# Altium PCB roach2.PcbDoc (part 19 of 39) (continued)
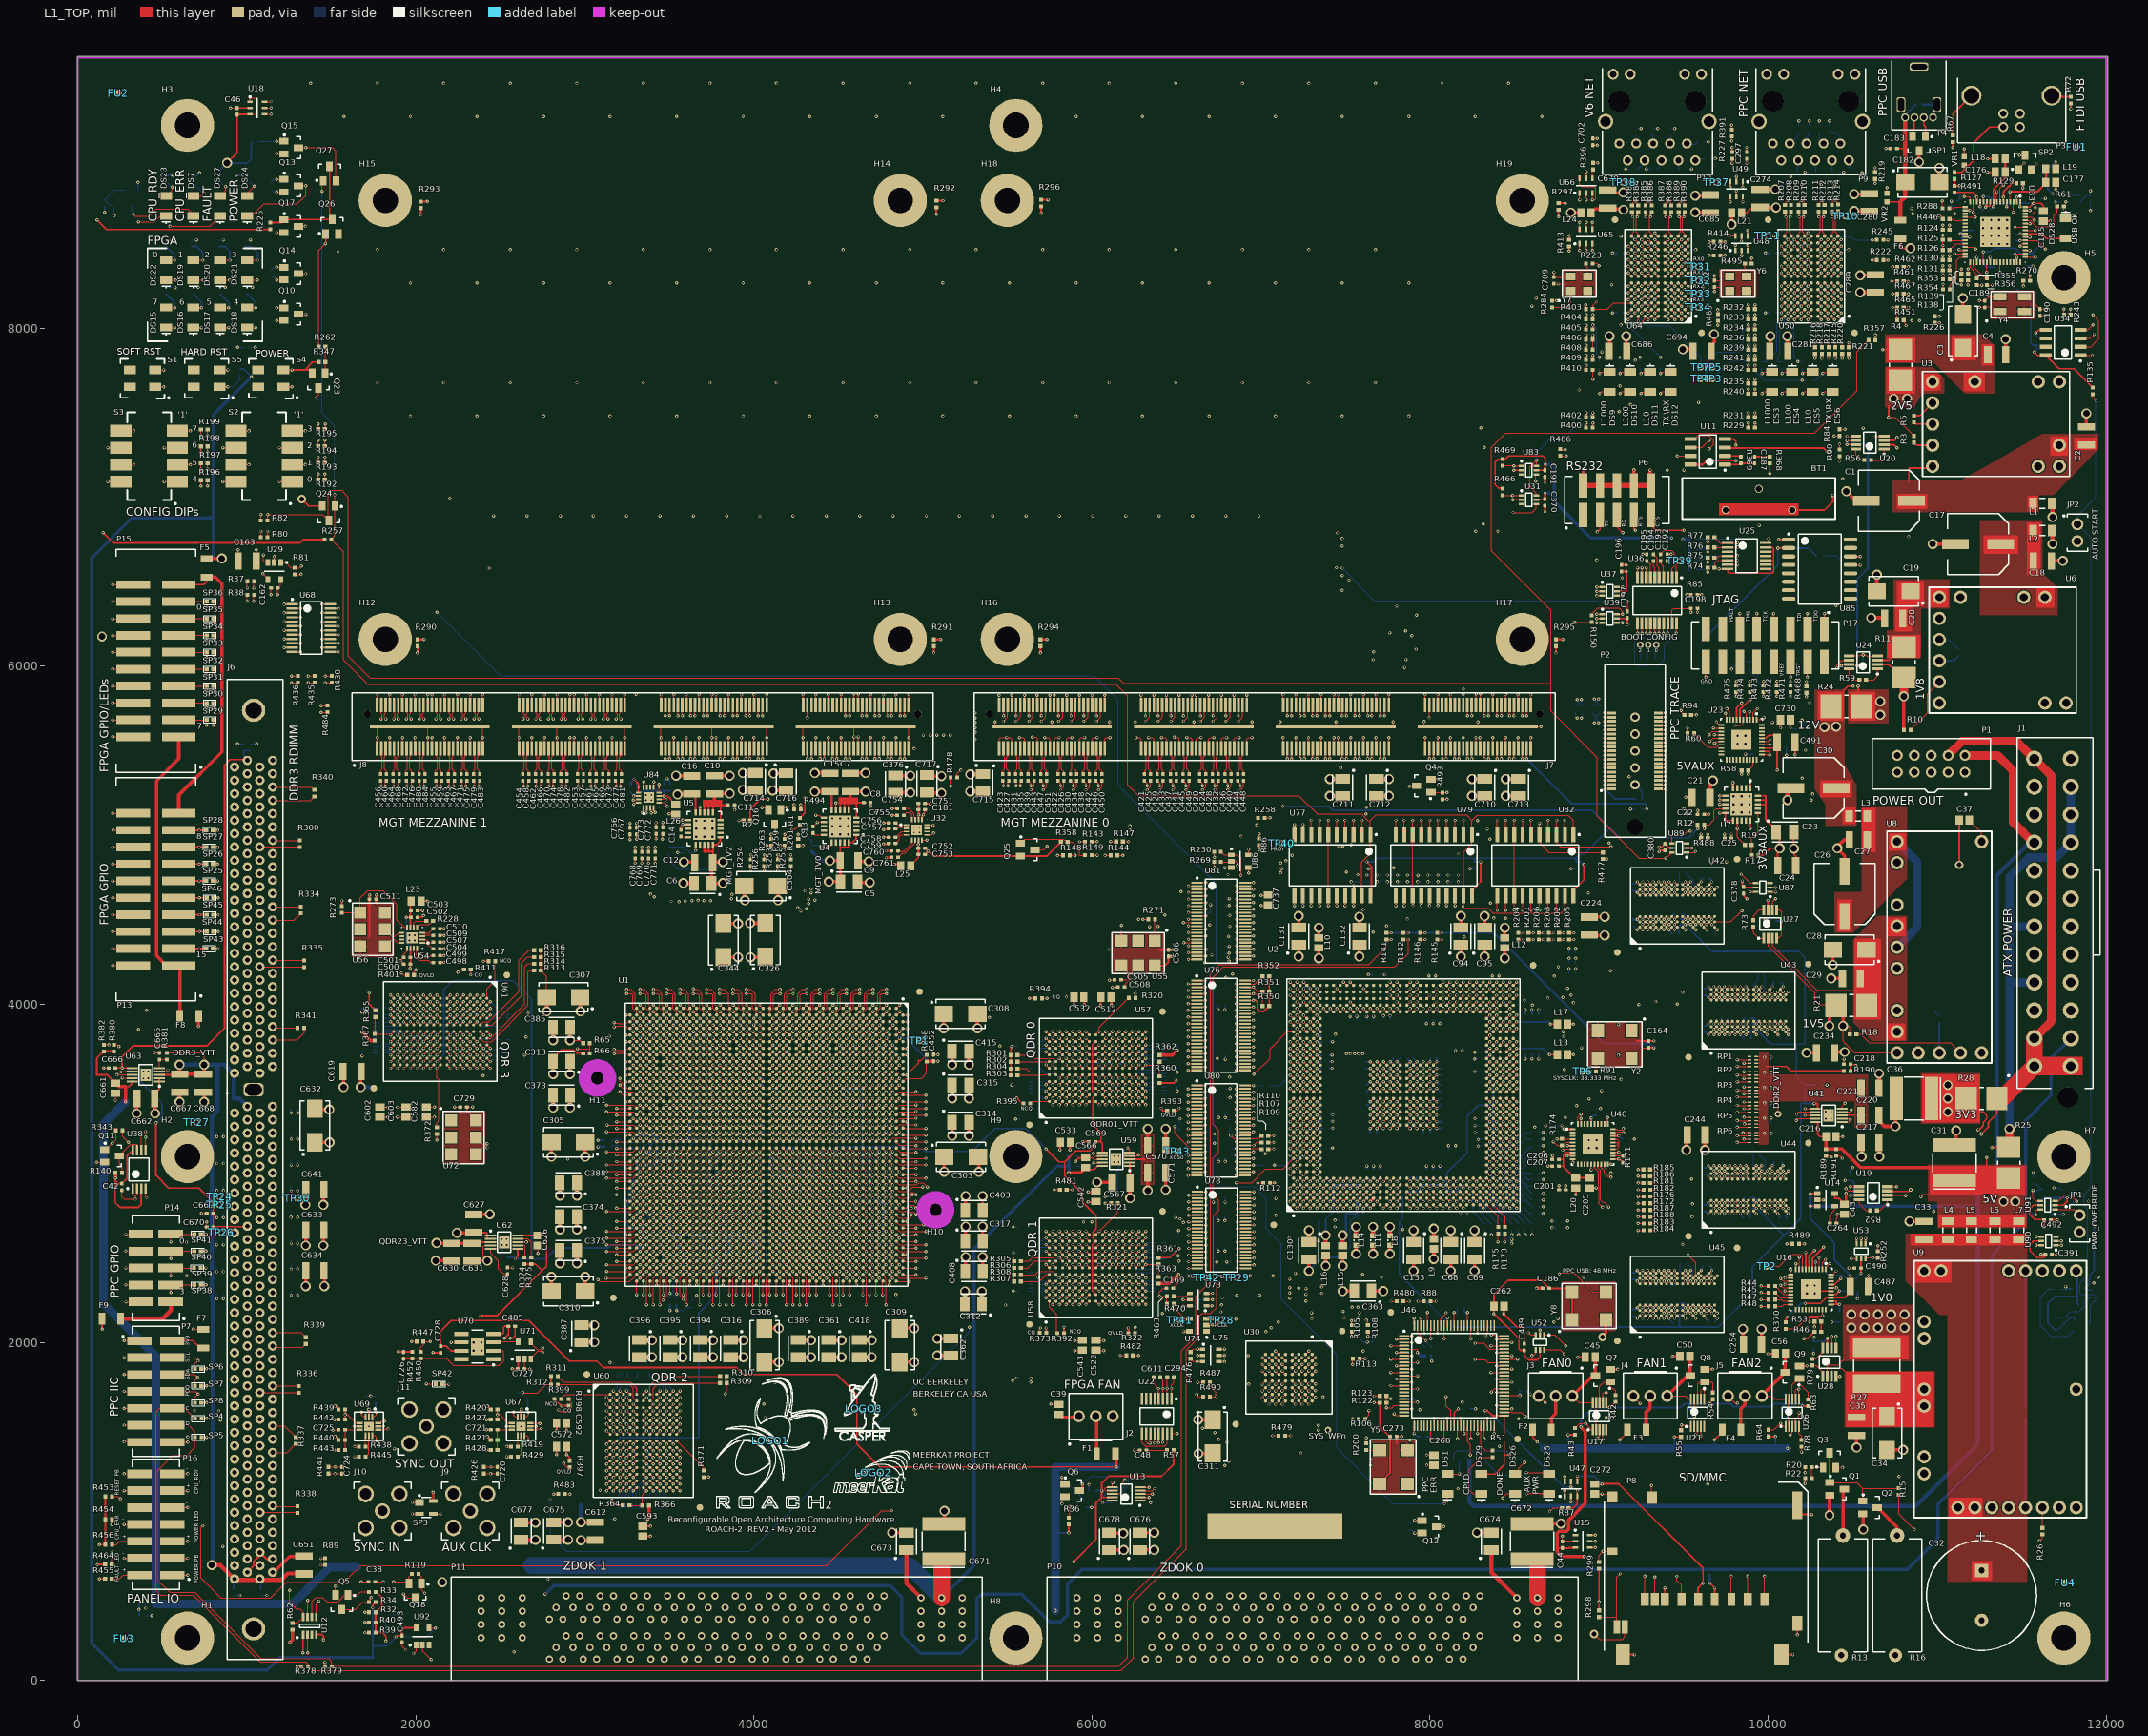
[diagram p0: L1_TOP view]
## Nets (pads, with @x,y where several pads share a name; then routed paths per layer and width w, separated by ;. In a path a pad name is that pad's centre, name@x,y a point inside that pad or via, vN(x,y) a via of type N, cw(c..) or ccw(c..) an arc to the next point about the centre after c; other vN are vias at no path point) (continued)
 U1.AF2@3897.64,3937.01 ; v1(3877.95,3996.06) U1.AF1@3897.64,3976.38 ; v2(3886.68,5150.99) C11.1@3886.68,5178.99 ; U1.AF1@3897.64,3975.28 U1.AF1@3897.95,3974.96 ; v1(3916.42,2577.2) U1.AE36@3936.11,2596.89 ; v1(3916.42,2852.79) U1.AE29@3936.11,2872.48 ; v1(3916.42,2931.53) U1.AE27@3936.11,2951.22 ; v1(3916.42,3010.27) U1.AE25@3936.11,3029.96 ; v1(3916.42,3089.01) U1.AE23@3936.11,3108.7 ; v1(3916.42,3207.13) U1.AE21@3936.11,3187.44 ; v1(3916.42,3285.87) U1.AE19@3936.11,3266.18 ; v1(3916.42,3364.61) U1.AE17@3936.11,3344.92 ; v1(3916.42,3443.35) U1.AE15@3936.11,3423.66 ; v1(3916.42,3522.09) U1.AE13@3936.11,3502.4 ; v1(3916.42,3600.83) U1.AE11@3936.11,3581.14 ; v1(3916.42,3679.57) U1.AE9@3936.11,3659.88 ; v1(3916.42,3758.31) U1.AE7@3936.11,3738.62 ; v1(3917.32,3917.32) U1.AE3@3937.01,3897.64 ; J8.CG8@3926.28,5515.49 v3(3926.28,5578.28) ; J8.CG18@3926.28,5770.49 v2(3926.28,5833.28) ; v2(3951.28,5452.7) J8.C13@3951.28,5515.49 ; v3(3951.28,5707.7) J8.C29@3951.28,5770.49 ; v1(3955.79,2459.09) U1.AD39@3975.48,2478.78 ; v1(3955.79,2892.16) U1.AD28@3975.48,2911.85 ; v1(3955.79,2970.9) U1.AD26@3975.48,2990.59 ; v1(3955.79,3049.64) U1.AD24@3975.48,3069.33 ; v1(3955.79,3128.38) U1.AD22@3975.48,3148.07 ; v1(3955.79,3246.5) U1.AD20@3975.48,3226.81 ; v1(3955.79,3325.24) U1.AD18@3975.48,3305.55 ; v1(3955.79,3403.98) U1.AD16@3975.48,3384.29 ; v1(3955.79,3482.72) U1.AD14@3975.48,3463.03 ; v1(3955.79,3561.46) U1.AD12@3975.48,3541.77 ; v1(3955.79,3640.2) U1.AD10@3975.48,3620.51 ; v1(3955.79,3679.57) U1.AD9@3975.48,3659.88 ; v1(3956.69,3799.21) U1.AD6@3976.38,3779.53 ; v1(3956.69,3838.58) U1.AD5@3976.38,3818.9 ; v1(3956.69,3956.69) U1.AD2@3976.38,3937.01 ; v1(3956.69,3996.06) U1.AD1@3976.38,3976.38 ; v2(3976.28,5452.7) J8.C14@3976.28,5515.49 ; v3(3976.28,5707.7) J8.C30@3976.28,5770.49 ; v1(3995.16,2734.68) U1.AC32@4014.85,2754.37 ; v1(3995.16,2852.79) U1.AC29@4014.85,2872.48 ; v1(3995.16,2931.53) U1.AC27@4014.85,2951.22 ; v1(3995.16,3010.27) U1.AC25@4014.85,3029.96 ; v1(3995.16,3089.01) U1.AC23@4014.85,3108.7 ; v1(3995.16,3285.87) U1.AC19@4014.85,3266.18 ; v1(3995.16,3364.61) U1.AC17@4014.85,3344.92 ; v1(3995.16,3443.35) U1.AC15@4014.85,3423.66 ; v1(3995.16,3522.09) U1.AC13@4014.85,3502.4 ; v1(3995.16,3600.83) U1.AC11@4014.85,3581.14 ; v1(3995.16,3679.57) U1.AC9@4014.85,3659.88 ; v1(3995.16,3758.31) U1.AC7@4014.85,3738.62 ; v1(3999.69,3917.29) 3996.09,3917.29 3997.89,3915.49 U1.AC3@4015.75,3897.64 ; J8.CG9@4001.28,5515.49 v3(4001.28,5578.28) ; J8.CG19@4001.28,5770.49 v2(4001.28,5833.28) ; U1.AC42@4014.53,2358.09 4014.85,2357.77 v1(4014.85,2336.98) ; v1(4034.53,2616.57) U1.AB35@4054.22,2636.26 ; v1(4034.53,2892.16) U1.AB28@4054.22,2911.85 ; v1(4034.53,2970.9) U1.AB26@4054.22,2990.59 ; v1(4034.53,3049.64) U1.AB24@4054.22,3069.33 ; v1(4034.53,3128.38) U1.AB22@4054.22,3148.07 ; v1(4034.53,3207.13) U1.AB21@4054.22,3187.44 ; v1(4034.53,3246.5) U1.AB20@4054.22,3226.81 ; v1(4034.53,3325.24) U1.AB18@4054.22,3305.55 ; v1(4034.53,3403.98) U1.AB16@4054.22,3384.29 ; v1(4034.53,3482.72) U1.AB14@4054.22,3463.03 ; v1(4034.53,3561.46) U1.AB12@4054.22,3541.77 ; v1(4034.53,3640.2) U1.AB10@4054.22,3620.51 ; v1(4034.53,3679.57) U1.AB9@4054.22,3659.88 ; v1(4035.43,3799.21) U1.AB6@4055.12,3779.53 ; v1(4035.43,3838.58) U1.AB5@4055.12,3818.9 ; v1(4035.43,3956.69) U1.AB2@4055.12,3937.01 ; v1(4035.43,3996.06) U1.AB1@4055.12,3976.38 ; v2(4048.33,5162.99) Q16.2@4074.99,5162.99 ; R256.1@4061.99,4857.68 v2(4061.99,4884.34) ; J8.CG10@4076.28,5515.49 v3(4076.28,5578.28) J8.CGND@4076.28,5642.99 ; J8.CG20@4076.28,5770.49 v2(4076.28,5833.28) ; U1.AA38@4093.59,2518.15 v1(4113.28,2498.46) ; U1.AA29@4093.59,2872.48 v1(4113.28,2852.79) ; U1.AA27@4093.59,2951.22 v1(4113.28,2931.53) ; U1.AA25@4093.59,3029.96 v1(4113.28,3010.27) ; U1.AA23@4093.59,3108.7 v1(4113.28,3089.01) ; U1.AA22@4093.59,3148.07 v1(4113.28,3128.38) ; U1.AA21@4093.59,3187.44 v1(4113.28,3207.13) ; U1.AA19@4093.59,3266.18 v1(4113.28,3285.87) ; U1.AA17@4093.59,3344.92 v1(4113.28,3364.61) ; U1.AA15@4093.59,3423.66 v1(4113.28,3443.35) ; U1.AA13@4093.59,3502.4 v1(4113.28,3522.09) ; U1.AA11@4093.59,3581.14 v1(4113.28,3600.83) ; U1.AA9@4093.59,3659.88 v1(4113.28,3679.57) ; U1.AA7@4093.59,3738.62 v1(4113.28,3758.31) ; U1.AA3@4094.49,3897.64 v1(4114.17,3917.32) ; R263.1@4102.99,4978.68 v2(4102.99,5005.34) ; U1.Y41@4132.96,2400.04 v1(4152.65,2380.35) ; U1.Y31@4132.96,2793.74 v1(4152.65,2774.05) ; U1.Y28@4132.96,2911.85 v1(4152.65,2892.16) ; U1.Y26@4132.96,2990.59 v1(4152.65,2970.9) ; U1.Y24@4132.96,3069.33 v1(4152.65,3049.64) ; U1.Y21@4132.96,3187.44 v1(4152.65,3207.13) ; U1.Y20@4132.96,3226.81 v1(4152.65,3246.5) ; U1.Y18@4132.96,3305.55 v1(4152.65,3325.24) ; U1.Y16@4132.96,3384.29 v1(4152.65,3403.98) ; U1.Y14@4132.96,3463.03 v1(4152.65,3482.72) ; U1.Y12@4132.96,3541.77 v1(4152.65,3561.46) ; U1.Y10@4132.96,3620.51 v1(4152.65,3640.2) ; U1.Y9@4132.96,3659.88 v1(4152.65,3679.57) ; U1.Y6@4133.86,3779.53 v1(4153.54,3799.21) ; U1.Y5@4133.86,3818.9 v1(4153.54,3838.58) ; U1.Y2@4133.86,3937.01 v1(4153.54,3956.69) ; U1.Y1@4133.86,3976.38 v1(4153.54,3996.06) ; U1.W34@4172.33,2675.63 v1(4192.02,2655.94) ; U1.W27@4172.33,2951.22 v1(4192.02,2931.53) ; U1.W25@4172.33,3029.96 v1(4192.02,3010.27) ; U1.W23@4172.33,3108.7 v1(4192.02,3089.01) ; U1.W21@4172.33,3187.44 v1(4192.02,3207.13) ; U1.W19@4172.33,3266.18 v1(4192.02,3285.87) ; U1.W17@4172.33,3344.92 v1(4192.02,3364.61) ; U1.W15@4172.33,3423.66 v1(4192.02,3443.35) ; U1.W13@4172.33,3502.4 v1(4192.02,3522.09) ; U1.W11@4172.33,3581.14 v1(4192.02,3600.83) ; U1.W9@4172.33,3659.88 v1(4192.02,3679.57) ; U1.W7@4172.33,3738.62 v1(4192.02,3758.31) ; U1.W3@4173.23,3897.64 v1(4192.91,3917.32) ; U1.V37@4211.7,2557.52 v1(4231.39,2537.83) ; U1.V28@4211.7,2911.85 v1(4231.39,2892.16) ; U1.V26@4211.7,2990.59 v1(4231.39,2970.9) ; U1.V24@4211.7,3069.33 v1(4231.39,3049.64) ; U1.V22@4211.7,3148.07 v1(4231.39,3128.38) ; U1.V20@4211.7,3226.81 v1(4231.39,3246.5) ; U1.V18@4211.7,3305.55 v1(4231.39,3325.24) ; U1.V16@4211.7,3384.29 v1(4231.39,3403.98) ; U1.V14@4211.7,3463.03 v1(4231.39,3482.72) ; U1.V12@4211.7,3541.77 v1(4231.39,3561.46) ; U1.V10@4211.7,3620.51 v1(4231.39,3640.2) ; U1.V9@4211.7,3659.88 v1(4231.39,3679.57) ; U1.V6@4212.6,3779.53 v1(4232.28,3799.21) ; U1.V5@4212.6,3818.9 v1(4232.28,3838.58) ; U1.V2@4212.6,3937.01 v1(4232.28,3956.69) ; U1.V1@4212.6,3976.38 v1(4232.28,3996.06) ; R255.2@4218.99,4857.68 v2(4218.99,4884.34) ; U1.U40@4251.07,2439.41 v1(4270.76,2419.72) ; U1.U30@4251.07,2833.11 v1(4270.76,2813.42) ; U1.U29@4251.07,2872.48 v1(4270.76,2852.79) ; U1.U27@4251.07,2951.22 v1(4270.76,2931.53) ; U1.U25@4251.07,3029.96 v1(4270.76,3010.27) ; U1.U23@4251.07,3108.7 v1(4270.76,3089.01) ; U1.U21@4251.07,3187.44 v1(4270.76,3207.13) ; U1.U19@4251.07,3266.18 v1(4270.76,3285.87) ; U1.U17@4251.07,3344.92 v1(4270.76,3364.61) ; U1.U15@4251.07,3423.66 v1(4270.76,3443.35) ; U1.U13@4251.07,3502.4 v1(4270.76,3522.09) ; U1.U11@4251.07,3581.14 v1(4270.76,3600.83) ; U1.U10@4251.07,3620.51 v1(4270.76,3640.2) ; U1.U9@4251.07,3659.88 v1(4270.76,3679.57) ; U1.U8@4251.07,3699.25 v1(4270.76,3718.94) ; U1.U7@4251.07,3738.62 v1(4270.76,3758.31) ; U1.U4@4251.97,3858.27 v1(4271.65,3877.95) ; U1.U3@4251.97,3897.64 v1(4271.65,3917.32) ; U1.T33@4290.44,2715 v1(4310.13,2695.31) ; U1.T26@4290.44,2990.59 v1(4310.13,2970.9) ; U1.T24@4290.44,3069.33 v1(4310.13,3049.64) ; U1.T22@4290.44,3148.07 v1(4310.13,3128.38) ; U1.T20@4290.44,3226.81 v1(4310.13,3246.5) ; U1.T18@4290.44,3305.55 v1(4310.13,3325.24) ; U1.T16@4290.44,3384.29 v1(4310.13,3403.98) ; U1.T14@4290.44,3463.03 v1(4310.13,3482.72) ; U1.T12@4290.44,3541.77 v1(4310.13,3561.46) ; U1.T11@4290.44,3581.14 v1(4310.13,3600.83) ; U1.T9@4290.44,3659.88 v1(4310.13,3679.57) ; J8.DG1@4291.28,5515.49 v3(4291.28,5578.28) J8.DGND@4291.28,5642.99 ; J8.DG11@4291.28,5770.49 v2(4291.28,5833.28) ; U1.T6@4291.34,3779.53 v1(4311.02,3799.21) ; U1.T5@4291.34,3818.9 v1(4311.02,3838.58) ; U1.T2@4291.34,3937.01 v1(4311.02,3956.69) ; U1.T1@4291.34,3976.38 v1(4311.02,3996.06) ; v2(4316.28,5452.7) J8.D1@4316.28,5515.49 ; U1.R36@4329.81,2596.89 v1(4349.5,2577.2) ; U1.R26@4329.81,2990.59 v1(4349.5,2970.9) ; U1.R19@4329.81,3266.18 v1(4349.5,3285.87) ; U1.R17@4329.81,3344.92 v1(4349.5,3364.61) ; U1.R16@4329.81,3384.29 v1(4349.5,3403.98) ; U1.R15@4329.81,3423.66 v1(4349.5,3443.35) ; U1.R13@4329.81,3502.4 v1(4349.5,3522.09) ; U1.R9@4329.81,3659.88 v1(4349.5,3679.57) ; U1.R7@4329.81,3738.62 v1(4349.5,3758.31) ; U1.R3@4330.71,3897.64 v1(4350.39,3917.32) ; v2(4341.28,5452.7) J8.D2@4341.28,5515.49 ; C13.1@4350.99,5052.68 v2(4375.23,5076.91) 4376.9,5078.58 U4.12@4415.52,5078.58 ; J8.DG2@4366.28,5515.49 v3(4366.28,5578.28) ; J8.DG12@4366.28,5770.49 v2(4366.28,5833.28) ; U1.P39@4369.18,2478.78 v1(4388.87,2459.09) ; U1.P29@4369.18,2872.48 v1(4388.87,2852.79) ; U1.P19@4369.18,3266.18 v1(4388.87,3285.87) ; U1.P12@4369.18,3541.77 v1(4388.87,3561.46) ; U1.P11@4369.18,3581.14 v1(4388.87,3600.83) ; U1.P9@4369.18,3659.88 v1(4388.87,3679.57) ; U1.P5@4370.08,3818.9 v1(4389.76,3838.58) ; U1.P2@4370.08,3937.01 v1(4389.76,3956.69) ; U1.P1@4370.08,3976.38 v1(4389.76,3996.06) ; U1.N42@4408.24,2358.09 4408.55,2357.77 v1(4408.55,2336.98) ; U1.N32@4408.55,2754.37 v1(4428.24,2734.68) ; U1.N22@4408.55,3148.07 v1(4428.24,3128.38) ; U1.N12@4408.55,3541.77 v1(4428.24,3561.46) ; U1.N9@4408.55,3659.88 v1(4428.24,3679.57) ; U1.N7@4408.55,3738.62 v1(4428.24,3758.31) ; U1.N3@4409.45,3897.64 v1(4429.13,3917.32) ; J8.DG3@4441.28,5515.49 v3(4441.28,5578.28) ; J8.DG13@4441.28,5770.49 v2(4441.28,5833.28) ; U1.M35@4447.92,2636.26 v1(4467.61,2616.57) ; U1.M25@4447.92,3029.96 v1(4467.61,3010.27) ; U1.M15@4447.92,3423.66 v1(4467.61,3443.35) ; U1.M9@4447.92,3659.88 v1(4467.61,3679.57) ; U1.M6@4448.82,3779.53 v1(4468.5,3799.21) ; U1.M5@4448.82,3818.9 v1(4468.5,3838.58) ; U1.M2@4448.82,3937.01 v1(4468.5,3956.69) ; U1.M1@4448.82,3976.38 v1(4468.5,3996.06) ; v2(4466.28,5452.7) J8.D5@4466.28,5515.49 ; U1.L38@4487.29,2518.15 v1(4506.98,2498.46) ; U1.L28@4487.29,2911.85 v1(4506.98,2892.16) ; U1.L18@4487.29,3305.55 v1(4506.98,3325.24) ; U1.L9@4487.29,3659.88 v1(4506.98,3679.57) ; U1.L7@4487.29,3738.62 v1(4506.98,3758.31) ; U1.L3@4488.19,3897.64 v1(4507.87,3917.32) ; v2(4491.28,5452.7) J8.D6@4491.28,5515.49 ; J8.DG4@4516.28,5515.49 v3(4516.28,5578.28) ; J8.DG14@4516.28,5770.49 v2(4516.28,5833.28) ; U1.K41@4526.66,2400.04 v1(4546.35,2380.35) ; U1.K31@4526.66,2793.74 v1(4546.35,2774.05) ; U1.K21@4526.66,3187.44 v1(4546.35,3207.13) ; U1.K11@4526.66,3581.14 v1(4546.35,3600.83) ; U1.K9@4526.66,3659.88 v1(4546.35,3679.57) ; U1.K6@4527.56,3779.53 v1(4547.24,3799.21) ; U1.K5@4527.56,3818.9 v1(4547.24,3838.58) ; U1.K2@4527.56,3937.01 v1(4547.24,3956.69) ; U1.K1@4527.56,3976.38 v1(4547.24,3996.06) ; U1.J34@4566.03,2675.63 v1(4585.72,2655.94) ; U1.J24@4566.03,3069.33 v1(4585.72,3049.64) ; U1.J14@4566.03,3463.03 v1(4585.72,3482.72) ; U1.J9@4566.03,3659.88 v1(4585.72,3679.57) ; U1.J7@4566.03,3738.62 v1(4585.72,3758.31) ; U1.J3@4566.93,3897.64 v1(4586.62,3917.32) ; J8.DG5@4593.57,5518.99 v3(4593.57,5581.78) 4593.57,5633.57 J8.DGND@4602.99,5642.99 ; J8.DG15@4593.57,5773.99 v2(4593.57,5836.78) ; U1.H37@4605.4,2557.52 v1(4625.09,2537.83) ; U1.H27@4605.4,2951.22 v1(4625.09,2931.53) ; U1.H17@4605.4,3344.92 v1(4625.09,3364.61) ; U1.H11@4605.4,3581.14 v1(4625.09,3600.83) ; U1.H10@4605.4,3620.51 v1(4625.09,3640.2) ; U1.H9@4605.4,3659.88 v1(4625.09,3679.57) ; U1.H5@4606.3,3818.9 v1(4625.99,3838.58) ; U1.H2@4606.3,3937.01 v1(4625.99,3956.69) ; U1.H1@4606.3,3976.38 v1(4625.99,3996.06) ; J8.DG6@4618.57,5518.99 v3(4618.57,5581.78) ; J8.DG16@4618.57,5773.99 v2(4618.57,5836.78) ; v2(4641.28,5452.7) J8.D9@4641.28,5515.49 ; v3(4641.28,5707.7) J8.D25@4641.28,5770.49 ; U1.G40@4644.77,2439.41 v1(4664.46,2419.72) ; U1.G30@4644.77,2833.11 v1(4664.46,2813.42) ; U1.G20@4644.77,3226.81 v1(4664.46,3246.5) ; U1.G11@4644.77,3581.14 v1(4664.46,3600.83) ; U1.G7@4644.77,3738.62 v1(4664.46,3758.31) ; U1.G3@4645.67,3897.64 v1(4665.36,3917.32) ; v2(4666.28,5452.7) J8.D10@4666.28,5515.49 ; v3(4666.28,5707.7) J8.D26@4666.28,5770.49 ; U1.F33@4684.14,2715 v1(4703.83,2695.31) ; U1.F23@4684.14,3108.7 v1(4703.83,3089.01) ; U1.F13@4684.14,3502.4 v1(4703.83,3522.09) ; U1.F11@4684.14,3581.14 v1(4703.83,3600.83) ; U1.F10@4684.14,3620.51 v1(4703.83,3640.2) ; U1.F9@4684.14,3659.88 v1(4703.83,3679.57) ; U1.F5@4685.04,3818.9 v1(4704.73,3838.58) ; U1.F2@4685.04,3937.01 v1(4704.73,3956.69) ; U1.F1@4685.04,3976.38 v1(4704.73,3996.06) ; J8.DG7@4691.28,5515.49 v3(4691.28,5578.28) ; J8.DG17@4691.28,5770.49 v2(4691.28,5833.28) ; U1.E36@4723.51,2596.89 v1(4743.2,2577.2) ; U1.E26@4723.51,2990.59 v1(4743.2,2970.9) ; U1.E16@4723.51,3384.29 v1(4743.2,3403.98) ; U1.E11@4723.51,3581.14 v1(4743.2,3600.83) ; U1.E7@4723.51,3738.62 v1(4743.2,3758.31) ; U1.E3@4724.41,3897.64 v1(4744.1,3917.32) ; U1.D39@4762.88,2478.78 v1(4782.57,2459.09) ; U1.D29@4762.88,2872.48 v1(4782.57,2852.79) ; U1.D19@4762.88,3266.18 v1(4782.57,3285.87) ; U1.D11@4762.88,3581.14 v1(4782.57,3600.83) ; U1.D10@4762.88,3620.51 v1(4782.57,3640.2) ; U1.D9@4762.88,3659.88 v1(4782.57,3679.57) ; U1.D5@4763.78,3818.9 v1(4783.47,3838.58) ; U1.D2@4763.78,3937.01 v1(4783.47,3956.69) ; U1.D1@4763.78,3976.38 v1(4783.47,3996.06) ; J8.DG8@4766.28,5515.49 v3(4766.28,5578.28) ; J8.DG18@4766.28,5770.49 v2(4766.28,5833.28) ; v2(4791.28,5452.7) J8.D13@4791.28,5515.49 ; v3(4791.28,5707.7) J8.D29@4791.28,5770.49 ; U1.C42@4801.94,2362.09 4802.25,2361.77 4802.25,2340.98 4802.09,2340.83 v1(4802.09,2339.46) ; U1.C32@4802.25,2754.37 v1(4821.94,2734.68) ; U1.C22@4802.25,3148.07 v1(4821.94,3128.38) ; U1.C12@4802.25,3541.77 v1(4821.94,3561.46) ; U1.C11@4802.25,3581.14 v1(4821.94,3600.83) ; U1.C7@4802.25,3738.62 v1(4821.94,3758.31) ; U1.C3@4803.15,3897.64 v1(4822.84,3917.32) ; v2(4816.28,5452.7) J8.D14@4816.28,5515.49 ; v3(4816.28,5707.7) J8.D30@4816.28,5770.49 ; J8.DG9@4841.28,5515.49 v3(4841.28,5578.28) ; J8.DG19@4841.28,5770.49 v2(4841.28,5833.28) ; U1.B35@4841.62,2636.26 v1(4861.31,2616.57) ; U1.B25@4841.62,3029.96 v1(4861.31,3010.27) ; U1.B15@4841.62,3423.66 v1(4861.31,3443.35) ; U1.B13@4841.62,3502.4 v1(4861.31,3522.09) 4879.46,3503.94 U1.A13@4881.89,3503.94 ; U1.B12@4841.62,3541.77 v1(4861.31,3561.46) ; U1.B10@4841.62,3620.51 v1(4861.31,3640.2) ; U1.B9@4841.62,3659.88 v1(4861.31,3679.57) ; U1.B5@4842.52,3818.9 v1(4862.21,3838.58) ; U1.B2@4842.52,3937.01 v1(4862.21,3956.69) ; U1.B1@4842.52,3976.38 v1(4862.21,3996.06) ; U1.A38@4879.57,2517.83 4879.89,2518.15 v1@4900.68,2518.15 ; U1.A28@4879.57,2911.53 4879.89,2911.85 v1@4900.68,2911.85 ; U1.A18@4879.57,3305.24 4879.89,3305.55 v1@4900.68,3305.55 ; U1.A13@4879.57,3502.09 U1.A13@4879.89,3502.4 ; U1.A11@4879.57,3580.83 4879.89,3581.14 v1@4900.68,3581.14 ; U1.A8@4879.57,3698.94 4879.89,3699.25 v1@4900.68,3699.25 ; U1.A7@4879.57,3738.31 4879.89,3738.62 v1@4900.68,3738.62 ; U1.A4@4880.47,3857.95 4880.79,3858.27 v1@4901.57,3858.27 ; U1.A3@4880.47,3897.32 4880.79,3897.64 v1@4901.57,3897.64 ; U1.A2@4880.47,3936.69 4880.79,3937.01 v1@4901.57,3937.01 ; J8.DG10@4916.28,5515.49 v3(4916.28,5578.28) J8.DGND@4916.28,5642.99 ; J8.DG20@4916.28,5770.49 v2(4916.28,5833.28) ; J7.AGND@5426.99,5642.99 v3(5426.99,5670.99) ; J7.AG11@5450.99,5766.2 v2(5450.99,5828.99) ; J7.AG1@5451.28,5515.49 5451.28,5573.23 5457.04,5578.99 v3(5495.99,5578.99) 5517.99,5578.99 5526.28,5570.7 J7.AG2@5526.28,5515.49 ; J7.AG12@5525.99,5766.2 v2(5525.99,5828.99) ; v2(5535.68,2532.99) 5535.68,2504.64 5540.31,2500 R308.2@5540.31,2400 R307.2@5540.31,2360 ; v3(5570.99,5578.99) 5592.99,5578.99 5601.28,5570.7 J7.AG3@5601.28,5515.49 ; J7.AG13@5600.99,5766.2 v2(5600.99,5828.99) ; v3(5646.7,5580.49) 5668.7,5580.49 5676.99,5572.2 J7.AG4@5676.99,5516.99 ; J7.AG14@5675.99,5766.2 v2(5675.99,5828.99) ; v3(5720.99,5578.99) 5742.99,5578.99 5751.28,5570.7 J7.AG5@5751.28,5515.49 ; J7.AG15@5750.99,5766.2 v2(5750.99,5828.99) ; v2@5758.99,1634.99 C39.1@5790.99,1634.99 ; J7.AGND@5762.99,5642.99 v3(5762.99,5670.99) ; J7.AG16@5775.99,5766.2 v2(5775.99,5828.99) ; J7.AG6@5776.28,5515.49 5776.28,5570.7 5784.57,5578.99 v3(5806.57,5578.99) ; v1(5807.09,2342.52) U58.C4@5826.77,2362.2 ; v1(5807.09,2539.37) U58.C8@5826.77,2519.68 ; v1(5807.09,3523.62) U57.C4@5826.77,3543.31 ; v1(5807.09,3720.47) U57.C8@5826.77,3700.79 ; v2@5822.99,1046.99 Q6.2@5822.99,1078.99 ; v1(5846.46,2342.52) U58.D4@5866.14,2362.2 ; v1(5846.46,2381.89) U58.D5@5866.14,2401.57 ; v1(5846.46,2460.63) U58.D6@5866.14,2440.94 ; v1(5846.46,2500) U58.D7@5866.14,2480.31 ; v1(5846.46,2539.37) U58.D8@5866.14,2519.68 ; v1(5846.46,3523.62) U57.D4@5866.14,3543.31 ; v1(5846.46,3562.99) U57.D5@5866.14,3582.68 ; v1(5846.46,3641.73) U57.D6@5866.14,3622.05 ; v1(5846.46,3681.1) U57.D7@5866.14,3661.42 ; v1(5846.46,3720.47) U57.D8@5866.14,3700.79 ; J7.AG17@5850.99,5766.2 v2(5850.99,5828.99) ; J7.AG7@5851.28,5515.49 5851.28,5570.7 5859.57,5578.99 v3(5881.57,5578.99) ; v1(5885.83,2381.89) U58.E5@5905.51,2401.57 ; v1(5885.83,2460.63) U58.E6@5905.51,2440.94 ; v1(5885.83,2500) U58.E7@5905.51,2480.31 ; v1(5885.83,3562.99) U57.E5@5905.51,3582.68 ; v1(5885.83,3641.73) U57.E6@5905.51,3622.05 ; v1(5885.83,3681.1) U57.E7@5905.51,3661.42 ; v2@5898.99,1950.99 C543.1@5930.99,1950.99 ; v1(5925.2,2460.63) U58.F6@5944.88,2440.94 ; v1(5925.2,3641.73) U57.F6@5944.88,3622.05 ; J7.AG18@5925.99,5766.2 v2(5925.99,5828.99) ; J7.AG8@5926.28,5515.49 5926.28,5570.7 5934.57,5578.99 v3(5956.57,5578.99) ; C566.1@5962.99,3092.52 6002.47,3092.52 6012,3082.99 U59.8@6062.28,3082.99 ; v1(5964.57,2460.63) U58.G6@5984.25,2440.94 ; v1(5964.57,3641.73) U57.G6@5984.25,3622.05 ; J7.AG19@6000.99,5766.2 v2(6000.99,5828.99) ; J7.AG9@6001.28,5515.49 6001.28,5570.7 6009.57,5578.99 v3(6031.57,5578.99) ; U58.H6@6023.62,2440.94 v1(6043.31,2460.63) ; U57.H6@6023.62,3622.05 v1(6043.31,3641.73) ; C522.1@6034.99,1950.99 v2@6066.99,1950.99 ; U58.J6@6062.99,2440.94 v1(6082.68,2460.63) ; U57.J6@6062.99,3622.05 v1(6082.68,3641.73) ; J7.AG20@6075.99,5766.2 v2(6075.99,5828.99) ; J7.AG10@6076.28,5515.49 6076.28,5570.7 6084.57,5578.99 v3(6106.57,5578.99) ; v2@6081.31,2822.99 R321.2@6113.31,2822.99 ; U58.K6@6102.36,2440.94 v1(6122.05,2460.63) ; U57.K6@6102.36,3622.05 v1(6122.05,3641.73) ; J7.AGND@6104.99,5642.99 v3(6104.99,5670.99) ; U58.L5@6141.73,2401.57 v1(6161.42,2381.89) ; U58.L6@6141.73,2440.94 v1(6161.42,2460.63) ; U58.L7@6141.73,2480.31 v1(6161.42,2500) ; U57.L5@6141.73,3582.68 v1(6161.42,3562.99) ; U57.L6@6141.73,3622.05 v1(6161.42,3641.73) ; U57.L7@6141.73,3661.42 v1(6161.42,3681.1) ; U58.M4@6181.1,2362.2 v1(6200.79,2342.52) ; U58.M5@6181.1,2401.57 v1(6200.79,2381.89) ; U58.M6@6181.1,2440.94 v1(6200.79,2460.63) ; U58.M7@6181.1,2480.31 v1(6200.79,2500) ; U58.M8@6181.1,2519.68 v1(6200.79,2539.37) ; U57.M4@6181.1,3543.31 v1(6200.79,3523.62) ; U57.M5@6181.1,3582.68 v1(6200.79,3562.99) ; U57.M6@6181.1,3622.05 v1(6200.79,3641.73) ; U57.M7@6181.1,3661.42 v1(6200.79,3681.1) ; U57.M8@6181.1,3700.79 v1(6200.79,3720.47) ; U58.N4@6220.47,2362.2 v1(6240.16,2342.52) ; U58.N8@6220.47,2519.68 v1(6240.16,2539.37) ; U57.N4@6220.47,3543.31 v1(6240.16,3523.62) ; U57.N8@6220.47,3700.79 v1(6240.16,3720.47) ; U59.4@6223.7,3102.68 6264.1,3102.68 v2@6271.65,3110.24 ; v2@6251.31,1362.99 C48.2@6283.31,1362.99 ; R320.2@6256.99,4034.68 v2@6256.99,4062.99 ; J7.BGND@6256.99,5642.99 v3(6256.99,5670.99) ; v3(6260.99,5578.99) 6282.99,5578.99 6291.28,5570.7 J7.BG1@6291.28,5515.49 ; U13.2@6283.7,1083.31 v2@6335.7,1083.31 ; U13.5@6283.7,1142.36 v2@6335.7,1142.36 ; J7.BG11@6290.99,5766.99 v2(6290.99,5829.78) ; v2(6300.99,4502.99) R271.1@6333.31,4502.99 ; U22.10@6320.49,1460.63 6320.49,1409.49 6324.99,1404.99 v2(6342.99,1404.99) ; v3(6335.99,5578.99) 6357.99,5578.99 6366.28,5570.7 J7.BG2@6366.28,5515.49 ; v2@6342.99,1406.99 U22.11@6342.99,1438.99 ; J7.BG12@6365.99,5766.99 v2(6365.99,5829.78) ; v3(6410.99,5578.99) 6432.99,5578.99 6441.28,5570.7 J7.BG3@6441.28,5515.49 ; J7.BG13@6440.99,5766.99 v2(6440.99,5829.78) ; U22.16@6470.49,1460.63 v2@6502.49,1460.63 ; C169.1@6479.68,2320 6512.68,2352.99 v2(6512.68,2401.31) ; v3(6486.7,5580.49) 6508.7,5580.49 6516.99,5572.2 J7.BG4@6516.99,5516.99 ; J7.BG14@6515.99,5766.99 v2(6515.99,5829.78) ; v3(6560.99,5578.99) 6582.99,5578.99 6591.28,5570.7 J7.BG5@6591.28,5515.49 ; v1(6569.83,3185.11) U80.18@6620.83,3185.11 U80.18@6637.77,3185.11 ; v1@6569.83,3460.7 U80.4@6620.83,3460.7 U80.4@6637.77,3460.7 ; v1@6569.83,3806.05 U76.18@6620.83,3806.05 U76.18@6637.77,3806.05 ; v1@6569.83,4081.64 U76.4@6620.83,4081.64 U76.4@6637.77,4081.64 ; v1(6570.73,4542.13) U81.10@6621.73,4542.13 U81.10@6638.67,4542.13 ; v1(6570.73,4660.24) U81.4@6621.73,4660.24 U81.4@6638.67,4660.24 ; v1(6572.93,2713.45) U78.10@6623.93,2713.45 U78.10@6640.87,2713.45 ; v1(6572.93,2831.56) U78.4@6640.87,2831.56 ; J7.BG15@6590.99,5766.99 v2(6590.99,5829.78) ; J7.BGND@6602.99,5642.99 v3(6602.99,5670.99) ; U80.25@6603.89,3047.31 U80.25@6620.83,3047.31 v1(6671.83,3047.31) ; U80.11@6603.89,3322.9 U80.11@6620.83,3322.9 v1@6671.83,3322.9 ; U76.25@6603.89,3668.26 U76.25@6620.83,3668.26 v1@6671.83,3668.26 ; U76.11@6603.89,3943.85 U76.11@6620.83,3943.85 v1@6671.83,3943.85 ; U81.21@6604.79,4325.6 U81.21@6621.73,4325.6 v1(6672.73,4325.6) ; U81.15@6604.79,4443.71 U81.15@6621.73,4443.71 v1(6672.73,4443.71) ; U78.21@6606.99,2496.91 U78.21@6623.93,2496.91 v1(6674.93,2496.91) ; U78.15@6606.99,2615.02 U78.15@6623.93,2615.02 v1(6674.93,2615.02) ; J7.BG16@6615.99,5766.99 v2(6615.99,5829.78) ; J7.BG6@6616.28,5515.49 6616.28,5570.7 6624.57,5578.99 v3(6646.57,5578.99) ; v3@6627.68,1922.99 U75.2@6659.68,1922.99 ; U73.2@6669.3,2252.59 6712.59,2252.59 v2(6712.99,2252.99) ; U74.3@6679.3,2140.59 6712.59,2140.59 v2(6712.99,2140.99) ; J7.BG17@6690.99,5766.99 v2(6690.99,5829.78) ; J7.BG7@6691.28,5515.49 6691.28,5570.7 6699.57,5578.99 v3(6721.57,5578.99) ; J7.BG18@6765.99,5766.99 v2(6765.99,5829.78) ; J7.BG8@6766.28,5515.49 6766.28,5570.7 6774.57,5578.99 v3(6796.57,5578.99) ; v2@6786.68,4808.99 U86.3@6818.99,4808.99 ; J7.BG19@6840.99,5766.99 v2(6840.99,5829.78) ; J7.BG9@6841.28,5515.49 6841.28,5570.7 6849.57,5578.99 v3(6871.57,5578.99) ; v1(6855.32,2988.34) U80.29@6906.26,2988.26 U80.29@6923.2,2988.26 ; v1@6855.26,3027.63 U80.31@6906.26,3027.63 U80.31@6923.2,3027.63 ; v1@6855.26,3067 U80.33@6906.26,3067 U80.33@6923.2,3067 ; v1@6855.26,3185.11 U80.39@6906.26,3185.11 ; v1@6855.26,3460.7 U80.53@6923.2,3460.7 ; v1@6855.26,3609.2 U76.29@6906.26,3609.2 U76.29@6923.2,3609.2 ; v1(6855.32,3806.13) U76.39@6906.26,3806.05 U76.39@6923.2,3806.05 ; v1(6855.32,4081.72) U76.53@6906.26,4081.64 U76.53@6923.2,4081.64 ; v1@6856.16,4266.54 U81.25@6907.16,4266.54 U81.25@6924.1,4266.54 ; v1@6856.16,4542.13 U81.39@6907.16,4542.13 U81.39@6924.1,4542.13 ; v1@6856.16,4660.24 U81.45@6924.1,4660.24 ; v1(6858.42,2437.94) U78.25@6909.36,2437.86 U78.25@6926.3,2437.86 ; v1(6858.42,2713.53) U78.39@6909.36,2713.45 U78.39@6926.3,2713.45 ; v1(6858.42,2831.64) U78.45@6909.36,2831.56 U78.45@6926.3,2831.56 ; U80.30@6889.32,3007.94 v1@6957.26,3007.94 ; U80.32@6889.32,3047.31 v1@6957.26,3047.31 ; U80.34@6889.32,3086.68 v1@6957.26,3086.68 ; U80.36@6889.32,3126.05 v1@6957.26,3126.05 ; U80.46@6889.32,3322.9 U80.46@6906.26,3322.9 v1@6957.26,3322.9 ; U80.56@6889.32,3519.75 U80.56@6906.26,3519.75 v1@6957.26,3519.75 ; U76.32@6889.32,3668.26 U76.32@6906.26,3668.26 v1@6957.26,3668.26 ; U76.46@6889.32,3943.85 U76.46@6906.26,3943.85 v1@6957.26,3943.85 ; U76.56@6889.32,4140.7 U76.56@6906.26,4140.7 v1@6957.26,4140.7 ; U81.28@6890.22,4325.6 U81.28@6907.16,4325.6 v1@6958.16,4325.6 ; U81.34@6890.22,4443.71 U81.34@6907.16,4443.71 v1@6958.16,4443.71 ; U81.48@6890.22,4719.3 U81.48@6907.16,4719.3 v1@6958.16,4719.3 ; U78.28@6892.42,2496.91 U78.28@6909.36,2496.91 v1@6960.36,2496.91 ; U78.34@6892.42,2615.02 U78.34@6909.36,2615.02 v1@6960.36,2615.02 ; U78.48@6892.42,2890.61 U78.48@6909.36,2890.61 v1@6960.36,2890.61 ; J7.BG20@6915.99,5766.99 v2(6915.99,5829.78) ; J7.BG10@6916.28,5515.49 6916.28,5570.7 6924.57,5578.99 v3(6946.57,5578.99) ; J7.BGND@6946.99,5642.99 v3(6946.99,5670.99) ; v1@6958.66,3586.61 7053.15,3681.1 7053.15,3736.14 7154.01,3837.01 U2.A27@7193.39,3837.01 ; v2@7000.68,4584.99 C737.1@7032.99,4584.99 ; v1(7007.87,1673.23) U30.H7@7027.56,1692.91 ; v1(7007.87,1909.45) U30.H2@7027.56,1889.76 ; J7.CGND@7112.99,5642.99 v3(7112.99,5670.99) ; v1(7125.98,1633.86) U30.E8@7145.67,1653.54 ; J7.CG1@7131.28,5515.49 v3(7131.28,5578.28) ; J7.CG11@7131.28,5770.49 v2(7131.28,5833.28) ; v2(7156.28,5452.7) J7.C1@7156.28,5515.49 ; v1(7173.7,2793.7) U2.A1@7193.39,2813.39 ; v1(7173.7,2833.07) U2.A2@7193.39,2852.76 ; v1(7173.7,2872.44) U2.A3@7193.39,2892.13 ; v1(7173.7,3896.06) U2.A28@7193.39,3876.38 ; v1(7173.7,4053.54) U2.A32@7193.39,4033.86 ; v1(7173.7,4092.91) U2.A33@7193.39,4073.23 ; v1(7173.7,4132.28) U2.A34@7193.39,4112.6 ; v2(7181.28,5452.7) J7.C2@7181.28,5515.49 ; U77.10@7197.99,5004.09 v2(7197.99,5062.68) ; J7.CG2@7206.28,5515.49 v3(7206.28,5578.28) ; J7.CG12@7206.28,5770.49 v2(7206.28,5833.28) ; v1(7213.07,2793.7) U2.B1@7232.76,2813.39 ; v1(7213.07,2833.07) U2.B2@7232.76,2852.76 ; v1(7213.07,2872.44) U2.B3@7232.76,2892.13 ; v1(7213.07,2911.81) U2.B4@7232.76,2931.5 ; v1(7213.07,3069.29) U2.B8@7232.76,3088.98 ; v1(7213.07,3384.25) U2.B16@7232.76,3403.94 ; v1(7213.07,3541.73) U2.B19@7232.76,3522.05 ; v1(7213.07,3817.32) U2.B26@7232.76,3797.64 ; v1(7213.07,3856.69) U2.B27@7232.76,3837.01 ; v1(7213.07,4014.17) U2.B31@7232.76,3994.49 ; v1(7213.07,4053.54) U2.B32@7232.76,4033.86 ; v1(7213.07,4092.91) U2.B33@7232.76,4073.23 ; v1(7213.07,4132.28) U2.B34@7232.76,4112.6 ; v1(7252.44,2833.07) U2.C2@7272.13,2852.76 ; v1(7252.44,2872.44) U2.C3@7272.13,2892.13 ; v1(7252.44,2911.81) U2.C4@7272.13,2931.5 ; v1(7252.44,4014.17) U2.C31@7272.13,3994.49 ; v1(7252.44,4053.54) U2.C32@7272.13,4033.86 ; v1(7252.44,4092.91) U2.C33@7272.13,4073.23 ; v1(7252.44,4132.28) U2.C34@7272.13,4112.6 ; J7.CG3@7281.28,5515.49 v3(7281.28,5578.28) ; J7.CG13@7281.28,5770.49 v2(7281.28,5833.28) ; v1(7291.81,2872.44) U2.D3@7311.5,2892.13 ; v1(7291.81,2911.81) U2.D4@7311.5,2931.5 ; v1(7291.81,2951.18) U2.D5@7311.5,2970.87 ; v1(7291.81,3974.8) U2.D30@7311.5,3955.12 ; v1(7291.81,4014.17) U2.D31@7311.5,3994.49 ; v1(7291.81,4053.54) U2.D32@7311.5,4033.86 ; v1(7291.81,4092.91) U2.D33@7311.5,4073.23 ; v2(7306.28,5452.7) J7.C5@7306.28,5515.49 ; v1(7331.18,2951.18) U2.E5@7350.87,2970.87 ; v1(7331.18,3069.29) U2.E8@7350.87,3088.98 ; v1(7331.18,3148.03) U2.E10@7350.87,3167.72 ; v1(7331.18,3384.25) U2.E16@7350.87,3403.94 ; v1(7331.18,3502.36) U2.E18@7350.87,3482.68 ; v1(7331.18,3541.73) U2.E19@7350.87,3522.05 ; v1(7331.18,3777.95) U2.E25@7350.87,3758.27 ; v1(7331.18,3856.69) U2.E27@7350.87,3837.01 ; v1(7331.18,3974.8) U2.E30@7350.87,3955.12 ; v1(7331.18,4014.17) U2.E31@7350.87,3994.49 ; v2(7331.28,5452.7) J7.C6@7331.28,5515.49 ; J7.CG4@7356.28,5515.49 v3(7356.28,5578.28) ; J7.CG14@7356.28,5770.49 v2(7356.28,5833.28) ; J7.CG5@7431.28,5515.49 v3(7431.28,5578.28) ; J7.CG15@7431.28,5770.49 v2(7431.28,5833.28) ; J7.CGND@7442.99,5642.99 v3(7442.99,5670.99) ; v1(7449.29,2793.7) U2.H1@7468.98,2813.39 ; v1(7449.29,2833.07) U2.H2@7468.98,2852.76 ; v1(7449.29,2951.18) U2.H5@7468.98,2970.87 ; v1(7449.29,3974.8) U2.H30@7468.98,3955.12 ; v1(7449.29,4092.91) U2.H33@7468.98,4073.23 ; J7.CG6@7456.28,5515.49 v3(7456.28,5578.28) ; J7.CG16@7456.28,5770.49 v2(7456.28,5833.28) ; v2(7481.28,5452.7) J7.C9@7481.28,5515.49 ; v3(7481.28,5707.7) J7.C25@7481.28,5770.49 ; v1(7488.66,2872.44) U2.J3@7508.35,2892.13 ; v2(7506.28,5452.7) J7.C10@7506.28,5515.49 ; v3(7506.28,5707.7) J7.C26@7506.28,5770.49 ; v1(7528.03,2793.7) U2.K1@7547.72,2813.39 ; v1(7528.03,2911.81) U2.K4@7547.72,2931.5 ; v1(7528.03,2951.18) U2.K5@7547.72,2970.87 ; v1(7528.03,3974.8) U2.K30@7547.72,3955.12 ; J7.CG7@7531.28,5515.49 v3(7531.28,5578.28) ; J7.CG17@7531.28,5770.49 v2(7531.28,5833.28) ; R113.1@7582.68,1902.99 v2@7614.68,1902.99 ; J7.CG8@7606.28,5515.49 v3(7606.28,5578.28) ; J7.CG18@7606.28,5770.49 v2(7606.28,5833.28) ; v1(7606.77,2793.7) U2.M1@7626.46,2813.39 ; v1(7606.77,2911.81) U2.M4@7626.46,2931.5 ; v2(7631.28,5452.7) J7.C13@7631.28,5515.49 ; v3(7631.28,5707.7) J7.C29@7631.28,5770.49 ; v2(7634.99,4802.99) v2@7635.31,4803.31 ; v1(7646.14,2793.7) U2.N1@7665.83,2813.39 ; v1(7646.14,2911.81) U2.N4@7665.83,2931.5